# Allegro board SG2042_EVB_V2_0.brd (continued)
## Routing (per net, layer and track width the routed paths; a pad name or vN(x,y) marks a point on that pad's centre or on a via; arc(x,y) is an arc through that point) (continued)
DDR0_DQ3: length 93.6
  TOP w0.173: U1.AL56 v1(144.75,218.05)
  ART14 w0.15: J1.157 178.52,274.18 arc(177.98,274.28) 177.52,274.59 177.5,274.61 arc(177.04,274.92) 176.5,275.03 175.72,275.03 arc(175.18,274.92) 174.72,274.61 174.7,274.59 arc(174.24,274.28) 173.7,274.17 172.93,274.17 arc(172.38,274.28) 171.92,274.59 171.85,274.66 arc(171.45,274.93) 170.98,275.03 170.95,275.03 arc(170.48,274.93) 170.08,274.66 169.95,274.54 arc(169.55,274.27) 169.08,274.17 169.05,274.17 arc(168.58,274.27) 168.18,274.54 168.05,274.67 arc(167.65,274.93) 167.18,275.03 165.62,275.03 160.34,269.74 160.12,269.74 159.47,270.39 159.26,270.39 158.95,270.09 158.95,269.88 159.61,269.23 159.61,269.01 159.31,268.71 159.09,268.71 158.44,269.36 158.23,269.36 157.93,269.06 157.93,268.85 158.58,268.2 158.58,267.98 158.28,267.68 158.07,267.68 157.41,268.34 157.2,268.34 156.9,268.03 156.9,267.82 157.55,267.17 157.55,266.95 157.25,266.65 157.04,266.65 156.38,267.31 156.17,267.31 155.87,267 155.87,266.79 156.52,266.14 156.52,265.93 156.22,265.62 156.01,265.62 155.35,266.28 155.14,266.28 149.72,260.86 149.72,220.89 147,218.18 144.88,218.18 v1(144.75,218.05)
DDR0_DQ4: length 100.9
  TOP w0.173: U1.AG54 v1(142.75,222.05)
  ART14 w0.15: J1.3 172.92,282.68 arc(172.38,282.78) 171.92,283.09 171.85,283.16 arc(171.45,283.43) 170.98,283.52 170.95,283.52 arc(170.48,283.43) 170.08,283.16 169.95,283.04 arc(169.55,282.77) 169.08,282.68 169.05,282.68 arc(168.58,282.77) 168.18,283.04 168.05,283.17 arc(167.65,283.43) 167.18,283.52 163.77,283.52 152.96,272.71 152.96,272.49 153.88,271.57 153.88,271.36 153.58,271.06 153.36,271.06 152.59,271.83 152.38,271.83 152.08,271.52 152.08,271.31 152.85,270.54 152.85,270.33 152.55,270.03 152.33,270.03 151.56,270.8 151.35,270.8 151.05,270.5 151.05,270.28 151.82,269.51 151.82,269.3 151.52,269 151.31,269 150.53,269.77 150.32,269.77 150.02,269.47 150.02,269.25 150.79,268.48 150.79,268.27 150.49,267.97 150.28,267.97 149.51,268.74 149.29,268.74 148.99,268.44 148.99,268.23 149.76,267.45 149.76,267.24 149.46,266.94 149.25,266.94 148.48,267.71 148.26,267.71 147.96,267.41 147.96,267.2 148.73,266.42 148.73,266.21 148.43,265.91 148.22,265.91 147.45,266.68 147.24,266.68 146.93,266.38 146.93,266.17 147.7,265.4 147.7,265.18 145.24,262.72 145.24,222.81 144.98,222.55 143.25,222.55 v1(142.75,222.05)
DDR0_DQ5: length 101.7
  TOP w0.173: U1.AH53 v1(141.75,221.05)
  ART14 w0.15: J1.148 180.42,281.83 arc(179.88,281.72) 179.42,281.41 179.35,281.34 arc(178.95,281.07) 178.48,280.98 178.45,280.98 arc(177.98,281.07) 177.58,281.34 177.5,281.41 arc(177.04,281.72) 176.5,281.82 175.69,281.82 arc(175.18,281.72) 174.75,281.44 174.73,281.41 arc(174.3,281.13) 173.79,281.03 172.84,281.03 arc(172.33,281.13) 171.9,281.41 171.85,281.46 arc(171.45,281.73) 170.98,281.82 170.95,281.82 arc(170.48,281.73) 170.08,281.46 169.95,281.34 arc(169.55,281.07) 169.08,280.98 169.05,280.98 arc(168.58,281.07) 168.18,281.34 168.06,281.46 arc(167.65,281.73) 167.17,281.82 163.01,281.82 157.4,276.22 157.4,276.01 158.33,275.08 158.33,274.87 158.02,274.57 157.81,274.57 156.89,275.49 156.68,275.49 156.37,275.19 156.37,274.98 157.3,274.05 157.3,273.84 156.99,273.54 156.78,273.54 155.86,274.46 155.65,274.46 155.34,274.16 155.34,273.95 156.27,273.02 156.27,272.81 155.96,272.51 155.75,272.51 154.83,273.43 154.62,273.43 154.31,273.13 154.31,272.92 155.24,271.99 155.24,271.78 145.9,262.44 145.9,222.48 144.97,221.55 142.25,221.55 v1(141.75,221.05)
DDR0_DQ6: length 107.6
  TOP w0.173: U1.AG55 v1(143.75,222.05)
  BOTTOM w0.173: J1.10 175.72,276.73 arc(175.18,276.62) 174.72,276.31 174.7,276.29 arc(174.24,275.98) 173.7,275.87 172.92,275.87 arc(172.38,275.98) 171.93,276.29 171.85,276.37 arc(171.45,276.63) 170.98,276.72 170.95,276.72 arc(170.48,276.63) 170.08,276.37 169.98,276.27 arc(169.57,275.99) 169.08,275.89 169.05,275.89 arc(168.56,275.99) 168.15,276.27 168.09,276.32 arc(167.65,276.62) 167.12,276.72 165.09,276.72 164.74,276.37 164.49,276.37 163.57,277.29 163.33,277.29 163.02,276.99 163.02,276.74 163.94,275.82 163.94,275.58 163.64,275.27 163.39,275.27 162.47,276.19 162.23,276.19 161.92,275.89 161.92,275.64 162.84,274.72 162.84,274.48 162.54,274.17 162.3,274.17 161.37,275.1 161.13,275.1 160.82,274.79 160.82,274.55 161.75,273.62 161.75,273.38 161.44,273.07 161.2,273.07 160.27,274 160.03,274 159.72,273.69 159.72,273.45 160.65,272.52 160.65,272.28 160.34,271.97 160.1,271.97 159.17,272.9 158.93,272.9 158.62,272.59 158.62,272.35 159.55,271.42 159.55,271.18 159.24,270.87 159,270.87 158.07,271.8 157.83,271.8 157.53,271.49 157.53,271.25 158.45,270.33 158.45,270.08 158.14,269.78 157.9,269.78 156.98,270.7 156.73,270.7 156.43,270.39 156.43,270.15 157.35,269.23 157.35,268.98 157.04,268.68 156.8,268.68 155.88,269.6 155.63,269.6 155.33,269.29 155.33,269.05 156.25,268.13 156.25,267.88 155.94,267.58 155.7,267.58 154.78,268.5 154.53,268.5 154.23,268.19 154.23,267.95 155.15,267.03 155.15,266.78 154.84,266.48 154.6,266.48 153.68,267.4 153.43,267.4 148.58,262.55 148.58,225.15 145.98,222.55 144.25,222.55 v1(143.75,222.05)
DDR0_DQ7: length 107.9
  TOP w0.173: U1.AH55 v1(143.75,221.05)
  BOTTOM w0.173: J1.155 178.52,275.87 arc(177.98,275.77) 177.52,275.46 177.5,275.44 arc(177.04,275.13) 176.5,275.03 175.72,275.03 arc(175.18,274.92) 174.73,274.61 174.7,274.59 arc(174.24,274.28) 173.7,274.17 172.92,274.17 arc(172.38,274.28) 171.93,274.59 171.85,274.67 arc(171.45,274.93) 170.98,275.03 170.95,275.03 arc(170.48,274.93) 170.08,274.67 169.95,274.53 arc(169.55,274.27) 169.08,274.17 169.05,274.17 arc(168.58,274.27) 168.18,274.53 168.1,274.61 arc(167.64,274.92) 167.1,275.03 166.39,275.03 165.34,273.97 165.09,273.97 164.39,274.68 164.15,274.68 163.84,274.37 163.84,274.13 164.68,273.28 164.68,273.04 164.38,272.74 164.13,272.74 163.29,273.58 163.05,273.58 162.74,273.27 162.74,273.03 163.58,272.19 163.58,271.94 163.28,271.64 163.04,271.64 162.19,272.48 161.95,272.48 161.64,272.17 161.64,271.93 162.49,271.09 162.49,270.84 162.18,270.54 161.94,270.54 161.09,271.38 160.85,271.38 160.54,271.08 160.54,270.83 161.39,269.99 161.39,269.74 161.08,269.44 160.84,269.44 159.99,270.28 159.75,270.28 159.44,269.98 159.44,269.73 160.64,268.53 160.64,268.29 160.34,267.98 160.09,267.98 158.89,269.18 158.65,269.18 158.34,268.88 158.34,268.63 160.34,266.63 160.34,266.39 160.04,266.08 159.79,266.08 157.79,268.08 157.55,268.08 157.24,267.78 157.24,267.53 158.6,266.18 158.6,265.94 158.29,265.63 158.05,265.63 156.69,266.98 156.45,266.98 155.17,265.7 152.83,265.7 149.36,262.23 149.36,224.83 146.09,221.56 144.26,221.56 v1(143.75,221.05)
DDR0_DQ8: length 102.2
  TOP w0.173: U1.AN53 v1(141.75,216.05)
  BOTTOM w0.173: v1(141.75,216.05) 142.25,216.55 142.25,217.26 142.54,217.55 148.4,217.55 151.18,220.32 151.18,248.49 152.43,249.74 152.43,249.99 151.35,251.08 151.35,251.32 151.65,251.63 151.9,251.63 152.98,250.54 153.23,250.54 153.53,250.84 153.53,251.09 152.45,252.18 152.45,252.42 152.75,252.73 153,252.73 154.08,251.64 154.33,251.64 154.63,251.94 154.63,252.19 153.55,253.28 153.55,253.52 153.85,253.82 154.09,253.82 155.18,252.74 155.43,252.74 155.73,253.04 155.73,253.29 154.64,254.37 154.64,254.62 154.95,254.92 155.19,254.92 156.28,253.84 156.53,253.84 156.83,254.14 156.83,254.39 155.74,255.47 155.74,255.72 156.05,256.02 156.29,256.02 157.38,254.94 157.63,254.94 161.69,259 161.69,268.62 166.39,273.33 167.1,273.33 arc(167.64,273.22) 168.1,272.91 168.18,272.83 arc(168.58,272.57) 169.05,272.47 169.08,272.47 arc(169.55,272.57) 169.95,272.83 170.08,272.97 arc(170.48,273.23) 170.95,273.33 170.98,273.33 arc(171.45,273.23) 171.85,272.97 171.93,272.89 arc(172.38,272.58) 172.92,272.47 173.7,272.47 arc(174.24,272.58) 174.7,272.89 174.73,272.91 arc(175.19,273.22) 175.73,273.33 176.23,273.33 arc(177.02,273.17) 177.68,272.73 177.98,272.44 arc(178.22,272.06) J1.16
DDR0_DQ9: length 100.1
  TOP w0.173: U1.AT53 v1(141.75,213.05)
  BOTTOM w0.173: v1(141.75,213.05) 142.25,213.55 142.25,215.25 142.55,215.55 143.01,215.55 143.25,215.79 143.25,216.25 143.55,216.55 148.5,216.55 151.95,220 151.95,248.17 162.47,258.68 162.47,264.32 163.9,265.76 163.9,266 162.47,267.43 162.47,267.68 162.78,267.98 163.02,267.98 164.45,266.55 164.7,266.55 165,266.86 165,267.1 163.57,268.53 163.57,268.78 163.88,269.08 164.12,269.08 165.55,267.65 165.8,267.65 166.1,267.96 166.1,268.2 164.67,269.63 164.67,269.88 164.98,270.18 165.22,270.18 165.92,269.49 166.16,269.49 166.47,269.79 166.47,270.04 165.77,270.73 165.77,270.98 166.42,271.63 167.1,271.63 arc(167.64,271.52) 168.1,271.21 168.18,271.13 arc(168.58,270.87) 169.05,270.77 169.08,270.77 arc(169.55,270.87) 169.95,271.13 170.08,271.27 arc(170.48,271.53) 170.95,271.63 170.98,271.63 arc(171.45,271.53) 171.85,271.27 171.93,271.19 arc(172.38,270.88) 172.92,270.77 173.7,270.77 arc(174.24,270.88) 174.7,271.19 174.73,271.21 arc(175.18,271.52) 175.72,271.63 176.5,271.63 arc(177.04,271.52) 177.5,271.21 177.52,271.19 arc(177.98,270.88) 178.52,270.78 J1.161
DDR0_DQ10: length 90.8
  TOP w0.173: U1.AT55 v1(143.75,213.05)
  ART14 w0.15: J1.23 172.92,265.68 arc(172.38,265.78) 171.92,266.09 171.85,266.16 arc(171.45,266.43) 170.98,266.52 170.95,266.52 arc(170.48,266.43) 170.08,266.16 169.95,266.04 arc(169.55,265.77) 169.08,265.68 169.05,265.68 arc(168.58,265.77) 168.18,266.04 168.1,266.11 arc(167.64,266.42) 167.1,266.52 166.4,266.52 165.19,265.31 165.19,255.58 164.12,254.52 164.12,254.3 164.97,253.45 164.97,253.24 164.67,252.94 164.46,252.94 163.61,253.79 163.39,253.79 163.09,253.49 163.09,253.28 163.95,252.42 163.95,252.21 163.64,251.91 163.43,251.91 162.58,252.76 162.37,252.76 162.06,252.46 162.06,252.25 162.92,251.39 162.92,251.18 162.61,250.88 162.4,250.88 161.55,251.73 161.34,251.73 161.03,251.43 161.03,251.22 161.89,250.36 161.89,250.15 161.58,249.85 161.37,249.85 160.52,250.7 160.31,250.7 160,250.4 160,250.19 160.86,249.33 160.86,249.12 160.55,248.82 160.34,248.82 159.49,249.67 159.28,249.67 154.53,244.93 154.53,218.9 149.35,213.72 145.95,213.72 145.76,213.53 144.23,213.53 v1(143.75,213.05)
DDR0_DQ11: length 90.2
  TOP w0.173: U1.AT56 v1(144.75,213.05)
  ART14 w0.15: J1.168 180.42,264.83 arc(179.88,264.93) 179.42,265.24 179.35,265.31 arc(178.95,265.58) 178.48,265.68 178.45,265.68 arc(177.98,265.58) 177.58,265.31 177.5,265.24 arc(177.04,264.93) 176.5,264.82 175.72,264.82 arc(175.18,264.72) 174.72,264.41 174.7,264.39 arc(174.24,264.08) 173.7,263.98 172.92,263.98 arc(172.38,264.08) 171.92,264.39 171.85,264.46 arc(171.45,264.73) 170.98,264.82 170.95,264.82 arc(170.48,264.73) 170.08,264.46 169.95,264.34 arc(169.55,264.07) 169.08,263.98 169.05,263.98 arc(168.58,264.07) 168.18,264.34 168.1,264.41 arc(167.64,264.72) 167.1,264.82 166.4,264.82 165.85,264.27 165.85,253.18 160.19,247.52 159.98,247.52 159.3,248.21 159.08,248.21 158.78,247.91 158.78,247.7 159.47,247.01 159.47,246.8 159.16,246.5 158.95,246.5 158.27,247.18 158.05,247.18 157.75,246.88 157.75,246.67 158.44,245.98 158.44,245.77 158.14,245.47 157.92,245.47 157.24,246.15 157.02,246.15 156.72,245.85 156.72,245.64 157.41,244.95 157.41,244.74 157.11,244.44 156.89,244.44 156.21,245.12 156,245.12 155.69,244.82 155.69,244.61 156.38,243.92 156.38,243.71 155.19,242.52 155.19,218.63 149.63,213.06 144.76,213.06 v1(144.75,213.05)
DDR0_DQ12: length 97.9
  TOP w0.173: U1.AM55 v1(143.75,217.05)
  ART14 w0.15: J1.14 175.72,273.33 arc(175.18,273.22) 174.72,272.91 174.7,272.89 arc(174.24,272.58) 173.7,272.47 172.93,272.47 arc(172.38,272.58) 171.92,272.89 171.85,272.96 arc(171.45,273.23) 170.98,273.33 170.95,273.33 arc(170.48,273.23) 170.08,272.96 169.95,272.84 arc(169.55,272.57) 169.08,272.47 169.05,272.47 arc(168.58,272.57) 168.18,272.84 168.05,272.97 arc(167.65,273.23) 167.18,273.33 165.32,273.33 164.77,272.77 164.77,272.56 165.48,271.86 165.48,271.64 165.17,271.34 164.96,271.34 164.26,272.05 164.05,272.05 163.74,271.74 163.74,271.53 164.45,270.83 164.45,270.62 164.15,270.31 163.93,270.31 163.23,271.02 163.02,271.02 162.71,270.71 162.71,270.5 163.42,269.8 163.42,269.59 163.12,269.28 162.9,269.28 162.2,269.99 161.99,269.99 161.68,269.69 161.68,269.47 162.39,268.77 162.39,268.56 161.36,267.53 161.36,266.7 161.21,266.55 158.85,266.55 158.7,266.4 158.7,265.97 158.85,265.82 161.21,265.82 161.36,265.67 161.36,265.24 161.21,265.09 160.07,265.09 159.92,264.94 159.92,264.52 160.07,264.37 161.21,264.37 161.36,264.22 161.36,259.07 158.68,256.39 156.72,256.39 150.71,250.37 150.71,220.48 147.77,217.54 144.24,217.54 v1(143.75,217.05)
DDR0_DQ13: length 98.5
  TOP w0.173: U1.AM54 v1(142.75,217.05)
  ART14 w0.15: v1(142.75,217.05) 143.25,216.55 144.98,216.55 145.31,216.88 148.04,216.88 151.37,220.21 151.37,248.14 152.19,248.96 152.19,249.17 151.42,249.94 151.42,250.15 151.73,250.45 151.94,250.45 152.71,249.69 152.92,249.69 153.22,249.99 153.22,250.2 152.45,250.97 152.45,251.18 152.75,251.48 152.97,251.48 153.73,250.72 153.95,250.72 154.25,251.02 154.25,251.23 153.48,252 153.48,252.21 153.78,252.51 154,252.51 154.76,251.74 154.98,251.74 155.28,252.05 155.28,252.26 154.51,253.03 154.51,253.24 154.81,253.54 155.02,253.54 155.79,252.77 156.01,252.77 156.31,253.08 156.31,253.29 155.54,254.06 155.54,254.27 155.84,254.57 156.05,254.57 156.82,253.8 157.03,253.8 157.34,254.11 157.34,254.32 156.57,255.09 156.57,255.3 156.87,255.6 157.08,255.6 157.85,254.83 158.06,254.83 162.02,258.79 162.02,267.26 166.39,271.63 167.24,271.63 arc(167.73,271.53) 168.15,271.25 168.29,271.11 arc(168.66,270.86) 169.09,270.77 169.12,270.77 arc(169.55,270.86) 169.92,271.11 170.08,271.26 arc(170.48,271.53) 170.95,271.63 170.98,271.63 arc(171.45,271.53) 171.85,271.26 171.92,271.19 arc(172.38,270.88) 172.93,270.77 173.7,270.77 arc(174.24,270.88) 174.7,271.19 174.72,271.21 arc(175.18,271.52) 175.72,271.63 176.5,271.63 arc(177.04,271.73) 177.5,272.04 177.52,272.06 arc(177.98,272.37) 178.52,272.48 J1.159
DDR0_DQ14: length 105
  TOP w0.173: U1.AN55 v1(143.75,216.05)
  BOTTOM w0.173: v1(143.75,216.05) 144.25,215.55 148.97,215.55 152.99,219.57 152.99,243.34 154.14,244.49 154.14,244.74 153.2,245.67 153.2,245.92 153.51,246.22 153.75,246.22 154.69,245.29 154.94,245.29 155.24,245.59 155.24,245.84 154.3,246.77 154.3,247.02 154.61,247.32 154.85,247.32 155.79,246.38 156.04,246.38 156.34,246.69 156.34,246.93 155.4,247.87 155.4,248.12 155.71,248.42 155.95,248.42 156.89,247.48 157.14,247.48 157.44,247.79 157.44,248.03 156.5,248.97 156.5,249.22 156.81,249.52 157.05,249.52 157.99,248.58 158.24,248.58 158.54,248.89 158.54,249.13 157.6,250.07 157.6,250.32 157.91,250.62 158.15,250.62 159.09,249.68 159.33,249.68 159.64,249.99 159.64,250.23 158.7,251.17 158.7,251.42 159.01,251.72 159.25,251.72 160.19,250.78 160.43,250.78 160.74,251.09 160.74,251.33 159.8,252.27 159.8,252.51 160.11,252.82 160.35,252.82 161.29,251.88 161.53,251.88 161.84,252.19 161.84,252.43 160.9,253.37 160.9,253.61 161.21,253.92 161.45,253.92 162.39,252.98 162.63,252.98 162.94,253.29 162.94,253.53 162,254.47 162,254.71 162.3,255.02 162.55,255.02 163.49,254.08 163.73,254.08 164.04,254.39 164.04,254.63 163.1,255.57 163.1,255.81 163.4,256.12 163.65,256.12 164.19,255.57 164.44,255.57 164.74,255.88 164.74,256.12 164.2,256.67 164.2,256.91 164.75,257.46 164.75,264.87 166.4,266.52 167.11,266.52 arc(167.64,266.42) 168.1,266.11 168.18,266.03 arc(168.58,265.77) 169.05,265.68 169.08,265.68 arc(169.55,265.77) 169.95,266.03 170.08,266.17 arc(170.48,266.43) 170.95,266.52 170.98,266.52 arc(171.45,266.43) 171.85,266.17 171.93,266.09 arc(172.38,265.78) 172.92,265.68 173.83,265.68 arc(174.92,265.89) 175.85,266.51 J1.21
DDR0_DQ15: length 103.3
  TOP w0.173: U1.AR56 v1(144.75,214.05)
  BOTTOM w0.173: v1(144.75,214.05) 145.47,214.77 149.29,214.77 153.77,219.25 153.77,243.02 154.31,243.56 154.56,243.56 155.29,242.83 155.53,242.83 155.84,243.14 155.84,243.38 155.11,244.11 155.11,244.36 155.41,244.66 155.66,244.66 156.39,243.93 156.63,243.93 156.94,244.24 156.94,244.48 156.21,245.21 156.21,245.46 156.51,245.76 156.76,245.76 157.49,245.03 157.73,245.03 158.04,245.34 158.04,245.58 157.31,246.31 157.31,246.55 157.61,246.86 157.86,246.86 158.59,246.13 158.83,246.13 159.14,246.44 159.14,246.68 158.41,247.41 158.41,247.65 158.71,247.96 158.96,247.96 159.69,247.23 159.93,247.23 160.23,247.53 160.23,247.78 159.5,248.51 159.5,248.75 159.81,249.06 160.05,249.06 160.78,248.33 161.03,248.33 161.33,248.63 161.33,248.88 160.6,249.61 160.6,249.85 160.91,250.16 161.15,250.16 161.88,249.43 162.13,249.43 162.43,249.73 162.43,249.98 161.7,250.71 161.7,250.95 162.01,251.26 162.25,251.26 162.98,250.53 163.23,250.53 163.53,250.83 163.53,251.08 162.8,251.81 162.8,252.05 163.11,252.36 163.35,252.36 164.08,251.63 164.33,251.63 164.63,251.93 164.63,252.18 163.9,252.91 163.9,253.15 164.21,253.46 164.45,253.46 165.18,252.73 165.43,252.73 165.73,253.03 165.73,253.28 165,254.01 165,254.25 165.52,254.77 165.52,263.95 166.4,264.82 167.11,264.82 arc(167.64,264.72) 168.1,264.41 168.18,264.33 arc(168.58,264.07) 169.05,263.98 169.08,263.98 arc(169.55,264.07) 169.95,264.33 170.08,264.47 arc(170.48,264.73) 170.95,264.82 170.98,264.82 arc(171.45,264.73) 171.85,264.47 171.93,264.39 arc(172.38,264.08) 172.92,263.98 173.7,263.98 arc(174.24,264.08) 174.7,264.39 174.72,264.41 arc(175.18,264.72) 175.72,264.82 176.5,264.82 arc(177.04,264.93) 177.5,265.24 177.58,265.32 arc(177.98,265.58) 178.44,265.68 178.48,265.68 arc(178.95,265.77) 179.35,266.03 179.42,266.11 arc(179.88,266.42) 180.42,266.52 J1.166
DDR0_DQ16: length 78.2
  TOP w0.173: U1.AL51 v1(139.75,218.05)
  ART07 w0.135: v1(139.75,218.05) U1.AL51 139.25,223.25 139.55,223.55 145.39,223.55 148.58,226.74 148.58,245.55 161.97,258.94 162.16,258.94 162.64,258.46 162.83,258.46 163.13,258.76 163.13,258.95 162.64,259.43 162.64,259.62 162.94,259.91 163.13,259.91 163.61,259.43 163.8,259.43 164.1,259.73 164.1,259.92 163.62,260.4 163.62,260.59 163.91,260.88 164.1,260.88 164.58,260.4 164.77,260.4 165.07,260.7 165.07,260.89 164.59,261.37 164.59,261.56 164.88,261.86 165.07,261.86 165.55,261.37 165.74,261.37 166.04,261.67 166.04,261.86 165.56,262.34 165.56,262.53 166.15,263.12 167.1,263.12 arc(167.64,263.02) 168.1,262.71 168.18,262.64 arc(168.58,262.37) 169.05,262.28 169.08,262.28 arc(169.55,262.37) 169.95,262.64 170.08,262.76 arc(170.48,263.03) 170.95,263.12 170.98,263.12 arc(171.45,263.03) 171.85,262.76 171.92,262.69 arc(172.38,262.38) 172.93,262.28 J1.27
DDR0_DQ17: length 81.9
  TOP w0.173: U1.AL49 v1(137.75,218.05)
  ART07 w0.135: v1(137.75,218.05) 138.25,218.55 138.25,224.26 138.54,224.55 143.5,224.55 143.93,224.12 145.07,224.12 147.95,227 147.95,245.81 161.53,259.4 161.53,260.16 166.2,264.82 167.1,264.82 arc(167.64,264.72) 168.1,264.41 168.18,264.34 arc(168.58,264.07) 169.05,263.98 169.08,263.98 arc(169.55,264.07) 169.95,264.34 170.08,264.46 arc(170.48,264.73) 170.95,264.82 170.98,264.82 arc(171.45,264.73) 171.85,264.46 171.92,264.39 arc(172.38,264.08) 172.93,263.98 173.7,263.98 arc(174.24,263.87) 174.7,263.56 174.72,263.54 arc(175.18,263.23) 175.73,263.12 176.5,263.12 arc(177.04,263.23) 177.5,263.54 177.57,263.61 arc(177.98,263.88) 178.45,263.98 178.48,263.98 arc(178.95,263.88) 179.35,263.61 179.47,263.49 arc(179.88,263.22) 180.35,263.12 180.38,263.12 arc(180.85,263.03) 181.25,262.76 181.78,262.23 arc(182.02,261.86) J1.172
DDR0_DQ18: length 77.8
  TOP w0.173: U1.AK52 v1(140.75,219.05)
  ART05 w0.135: v1(140.75,219.05) 141.28,219.58 146.28,219.58 150.28,223.57 151.29,224.59 151.29,243.33 158.17,250.21 158.36,250.21 158.75,249.82 158.94,249.82 159.24,250.12 159.24,250.31 158.85,250.7 158.85,250.89 159.14,251.18 159.33,251.18 159.72,250.79 159.91,250.79 160.21,251.09 160.21,251.28 159.82,251.67 159.82,251.86 160.11,252.15 160.3,252.15 160.69,251.76 160.88,251.76 161.18,252.06 161.18,252.25 160.79,252.64 160.79,252.83 161.08,253.12 161.27,253.12 161.66,252.73 161.85,252.73 162.15,253.03 162.15,253.22 161.76,253.61 161.76,253.8 162.05,254.09 162.24,254.09 162.63,253.71 162.82,253.71 163.12,254 163.12,254.19 162.73,254.58 162.73,254.77 163.02,255.06 163.21,255.06 163.6,254.68 163.79,254.68 164.09,254.97 164.09,255.16 163.7,255.55 163.7,255.74 163.99,256.03 164.18,256.03 164.57,255.65 164.76,255.65 165.06,255.94 165.06,256.13 164.67,256.52 164.67,256.71 164.96,257 165.15,257 165.54,256.62 165.73,256.62 166.03,256.91 166.03,257.1 165.64,257.49 165.64,257.68 165.98,258.02 167.1,258.02 arc(167.64,257.92) 168.1,257.61 168.18,257.54 arc(168.58,257.27) 169.05,257.18 169.08,257.18 arc(169.55,257.27) 169.95,257.54 170.08,257.66 arc(170.48,257.93) 170.95,258.02 170.98,258.02 arc(171.45,257.93) 171.85,257.66 171.92,257.59 arc(172.38,257.28) 172.93,257.18 173.7,257.18 arc(174.24,257.28) 174.7,257.59 174.72,257.61 arc(175.18,257.92) 175.73,258.02 176.23,258.02 arc(177.02,257.87) 177.69,257.42 177.98,257.13 arc(178.22,256.76) J1.34
DDR0_DQ19: length 77.3
  TOP w0.173: U1.AL52 v1(140.75,218.05)
  ART05 w0.135: v1(140.75,218.05) 141.24,218.54 146.13,218.54 151.92,224.33 151.92,241.84 152.43,242.35 152.43,242.54 152.03,242.94 152.03,243.13 152.33,243.43 152.52,243.43 152.92,243.02 153.11,243.02 153.4,243.32 153.4,243.51 153,243.91 153,244.1 153.3,244.4 153.49,244.4 153.89,244 154.08,244 154.37,244.29 154.37,244.48 153.97,244.88 153.97,245.07 154.27,245.37 154.46,245.37 154.86,244.97 155.05,244.97 155.34,245.26 155.34,245.45 154.94,245.85 154.94,246.04 155.24,246.34 155.43,246.34 155.83,245.94 156.02,245.94 156.31,246.23 156.31,246.42 155.91,246.82 155.91,247.01 156.21,247.31 156.4,247.31 156.8,246.91 156.99,246.91 157.28,247.2 157.28,247.39 156.88,247.79 156.88,247.98 157.18,248.28 157.37,248.28 157.77,247.88 157.96,247.88 158.25,248.17 158.25,248.36 157.85,248.76 157.85,248.95 158.15,249.25 158.34,249.25 158.74,248.85 158.93,248.85 166.41,256.32 167.1,256.32 arc(167.64,256.22) 168.1,255.91 168.18,255.84 arc(168.58,255.57) 169.05,255.47 169.08,255.47 arc(169.55,255.57) 169.95,255.84 170.08,255.96 arc(170.48,256.23) 170.95,256.32 170.98,256.32 arc(171.45,256.23) 171.85,255.96 171.92,255.89 arc(172.38,255.58) 172.93,255.47 173.7,255.47 arc(174.24,255.58) 174.7,255.89 174.72,255.91 arc(175.18,256.22) 175.73,256.32 176.5,256.32 arc(177.04,256.22) 177.5,255.91 177.52,255.89 arc(177.98,255.58) 178.52,255.47 J1.179
DDR0_DQ20: length 84.6
  TOP w0.173: U1.AG50 v1(137.75,222.05)
  ART05 w0.135: J1.25 172.96,263.98 arc(172.42,264.08) 171.96,264.39 171.9,264.45 arc(171.48,264.73) 170.99,264.82 170.97,264.82 arc(170.48,264.73) 170.06,264.45 169.95,264.34 arc(169.55,264.07) 169.08,263.98 169.05,263.98 arc(168.58,264.07) 168.18,264.34 168.1,264.41 arc(167.64,264.72) 167.1,264.82 166.43,264.82 165.99,264.39 165.8,264.39 165.35,264.83 165.16,264.83 164.87,264.54 164.87,264.35 165.72,263.5 165.72,263.31 165.42,263.01 165.23,263.01 164.38,263.86 164.19,263.86 163.9,263.57 163.9,263.38 164.91,262.36 164.91,262.17 164.62,261.88 164.43,261.88 163.41,262.89 163.22,262.89 162.93,262.6 162.93,262.41 163.94,261.39 163.94,261.2 163.65,260.91 163.46,260.91 162.44,261.92 162.25,261.92 161.96,261.63 161.96,261.44 162.97,260.42 162.97,260.23 162.68,259.94 162.49,259.94 161.66,260.76 161.47,260.76 161.18,260.47 161.18,260.28 162,259.45 162,259.26 159.23,256.49 157.32,256.49 147.62,246.79 147.62,226.11 145.06,223.55 138.53,223.55 138.25,223.27 U1.AG50 v1(137.75,222.05)
DDR0_DQ21: length 85
  TOP w0.173: U1.AH49 v1(137.75,221.05)
  ART05 w0.135: v1(137.75,221.05) 138.25,221.55 138.95,221.55 139.25,221.86 139.25,222.26 139.54,222.55 144.95,222.55 148.25,225.85 148.25,246.53 152.64,250.92 154.55,250.92 155.04,251.41 155.04,251.6 154.37,252.27 154.37,252.46 154.66,252.75 154.85,252.75 155.52,252.08 155.71,252.08 156.01,252.38 156.01,252.57 155.34,253.24 155.34,253.43 155.63,253.72 155.82,253.72 156.49,253.05 156.68,253.05 156.98,253.35 156.98,253.54 156.31,254.21 156.31,254.4 156.6,254.69 156.79,254.69 157.46,254.02 157.65,254.02 157.95,254.32 157.95,254.51 157.28,255.18 157.28,255.37 157.57,255.66 157.76,255.66 158.43,254.99 158.62,254.99 165.63,262 165.63,262.31 166.45,263.12 167.1,263.12 arc(167.64,263.02) 168.1,262.71 168.18,262.64 arc(168.58,262.37) 169.05,262.28 169.08,262.28 arc(169.55,262.37) 169.95,262.64 170.08,262.76 arc(170.48,263.03) 170.95,263.12 170.98,263.12 arc(171.45,263.03) 171.85,262.76 171.92,262.69 arc(172.38,262.38) 172.93,262.28 173.7,262.28 arc(174.24,262.38) 174.7,262.69 174.72,262.71 arc(175.18,263.02) 175.73,263.12 176.5,263.12 arc(177.04,263.02) 177.5,262.71 177.57,262.64 arc(177.98,262.37) 178.45,262.28 178.48,262.28 arc(178.95,262.37) 179.35,262.64 179.42,262.71 arc(179.88,263.02) 180.42,263.13 J1.170
DDR0_DQ22: length 83.3
  TOP w0.173: U1.AH51 v1(139.75,222.05)
  ART07 w0.135: v1(139.75,222.05) 140.25,222.55 148.77,222.55 150.97,224.75 150.97,243.55 156.12,248.7 156.12,248.89 155.52,249.49 155.52,249.68 155.82,249.98 156.01,249.98 156.61,249.38 156.8,249.38 157.09,249.67 157.09,249.86 156.49,250.46 156.49,250.65 156.79,250.95 156.98,250.95 157.58,250.35 157.77,250.35 158.06,250.65 158.06,250.84 157.46,251.43 157.46,251.62 157.76,251.92 157.95,251.92 158.55,251.32 158.74,251.32 159.03,251.62 159.03,251.81 158.43,252.4 158.43,252.59 158.73,252.89 158.92,252.89 159.52,252.29 159.71,252.29 160,252.59 160,252.78 159.4,253.37 159.4,253.56 159.7,253.86 159.89,253.86 160.49,253.26 160.68,253.26 160.97,253.56 160.97,253.75 160.38,254.34 160.38,254.53 160.67,254.83 160.86,254.83 161.46,254.23 161.65,254.23 161.94,254.53 161.94,254.72 161.35,255.31 161.35,255.5 161.64,255.8 161.83,255.8 162.43,255.2 162.62,255.2 162.91,255.5 162.91,255.69 162.32,256.28 162.32,256.47 162.61,256.77 162.8,256.77 163.4,256.17 163.59,256.17 163.88,256.47 163.88,256.66 163.29,257.25 163.29,257.44 163.58,257.74 163.77,257.74 164.37,257.14 164.56,257.14 165.44,258.02 167.1,258.02 arc(167.64,257.92) 168.1,257.61 168.18,257.54 arc(168.58,257.27) 169.05,257.18 169.08,257.18 arc(169.55,257.27) 169.95,257.54 170.08,257.66 arc(170.48,257.93) 170.95,258.02 170.98,258.02 arc(171.45,257.93) 171.85,257.66 171.92,257.59 arc(172.38,257.28) 172.93,257.18 173.7,257.18 arc(174.24,257.28) 174.7,257.59 174.72,257.61 arc(175.18,257.92) 175.73,258.03 J1.32
DDR0_DQ23: length 82.1
  TOP w0.173: U1.AG52 v1(140.75,222.05)
  ART07 w0.135: v1(140.75,222.05) 141.25,221.55 148.66,221.55 151.6,224.49 151.6,243.29 153.72,245.41 153.91,245.41 154.48,244.84 154.67,244.84 154.96,245.14 154.96,245.33 154.39,245.9 154.39,246.09 154.69,246.38 154.88,246.38 155.45,245.81 155.64,245.81 155.94,246.11 155.94,246.3 155.36,246.87 155.36,247.06 155.66,247.35 155.85,247.35 156.42,246.78 156.61,246.78 156.91,247.08 156.91,247.27 156.33,247.84 156.33,248.03 156.63,248.32 156.82,248.32 157.39,247.75 157.58,247.75 157.88,248.05 157.88,248.24 157.31,248.81 157.31,249 157.6,249.29 157.79,249.29 158.36,248.72 158.55,248.72 158.85,249.02 158.85,249.21 158.28,249.78 158.28,249.97 158.57,250.26 158.76,250.26 159.33,249.69 159.52,249.69 159.82,249.99 159.82,250.18 159.25,250.75 159.25,250.94 159.54,251.23 159.73,251.23 160.3,250.66 160.49,250.66 160.79,250.96 160.79,251.15 160.22,251.72 160.22,251.91 160.51,252.2 160.7,252.2 161.27,251.63 161.46,251.63 161.76,251.93 161.76,252.12 161.19,252.69 161.19,252.88 164.63,256.32 167.1,256.32 arc(167.64,256.22) 168.1,255.91 168.18,255.84 arc(168.58,255.57) 169.05,255.47 169.08,255.47 arc(169.55,255.57) 169.95,255.84 170.37,256.26 arc(170.96,256.5) 171.55,256.26 171.66,256.15 arc(172.41,255.65) 173.3,255.47 173.7,255.47 arc(174.24,255.58) 174.7,255.89 174.72,255.91 arc(175.18,256.22) 175.73,256.32 176.5,256.32 arc(177.04,256.43) 177.5,256.74 177.52,256.76 arc(177.98,257.07) 178.52,257.18 J1.177
DDR0_DQ24: length 76.1
  TOP w0.173: U1.AT49 v1(137.75,213.05)
  ART07 w0.135: v1(137.75,213.05) 138.25,213.55 138.25,216.26 138.52,216.53 138.85,216.53 139.25,216.93 139.25,217.26 139.56,217.57 139.89,217.57 140.25,217.93 140.25,218.26 140.54,218.55 147.93,218.55 153.15,223.77 153.15,241.36 163.39,251.6 163.39,251.79 163.05,252.14 163.05,252.33 163.34,252.62 163.53,252.62 163.88,252.28 164.07,252.28 164.36,252.57 164.36,252.77 164.02,253.11 164.02,253.3 164.31,253.59 164.5,253.59 164.85,253.25 165.04,253.25 165.33,253.54 165.33,253.74 164.99,254.08 164.99,254.27 165.28,254.56 165.47,254.56 165.82,254.22 166.01,254.22 166.41,254.63 167.1,254.63 arc(167.64,254.52) 168.1,254.21 168.18,254.14 arc(168.58,253.87) 169.05,253.77 169.08,253.77 arc(169.55,253.87) 169.95,254.14 170.08,254.26 arc(170.48,254.53) 170.95,254.63 170.98,254.63 arc(171.45,254.53) 171.85,254.26 171.92,254.19 arc(172.38,253.88) 172.93,253.77 173.7,253.77 arc(174.24,253.88) 174.7,254.19 174.72,254.21 arc(175.18,254.52) 175.73,254.63 176.23,254.63 arc(177.02,254.47) 177.69,254.02 177.98,253.74 arc(178.22,253.36) J1.38
DDR0_DQ25: length 74.6
  TOP w0.173: U1.AT51 v1(139.75,213.05)
  ART07 w0.135: J1.183 178.5,252.08 arc(177.97,252.18) 177.51,252.48 177.5,252.5 arc(177.05,252.8) 176.51,252.91 175.7,252.91 arc(175.16,252.8) 174.71,252.5 174.7,252.48 arc(174.24,252.18) 173.71,252.07 172.93,252.07 arc(172.38,252.18) 171.92,252.49 171.85,252.56 arc(171.45,252.83) 170.98,252.93 170.95,252.93 arc(170.48,252.83) 170.08,252.56 169.95,252.44 arc(169.55,252.17) 169.08,252.07 169.05,252.07 arc(168.58,252.17) 168.18,252.44 168.09,252.52 arc(167.65,252.82) 167.11,252.93 165.6,252.93 165.1,252.43 165.1,252.24 165.43,251.91 165.43,251.72 165.14,251.42 164.95,251.42 164.62,251.75 164.43,251.75 164.13,251.46 164.13,251.27 164.46,250.94 164.46,250.75 164.17,250.45 163.98,250.45 163.65,250.78 163.46,250.78 153.88,241.21 153.88,223.56 147.87,217.55 140.54,217.55 140.25,217.26 140.25,216.83 139.97,216.55 139.64,216.55 139.25,216.16 U1.AT51 v1(139.75,213.05)
DDR0_DQ26: length 74.7
  TOP w0.173: U1.AR52 v1(140.75,214.05)
  ART05 w0.135: v1(140.75,214.05) 141.25,213.55 147.67,213.55 156.54,222.42 156.54,233.4 157.39,234.25 157.39,234.44 156.55,235.29 156.55,235.48 156.84,235.77 157.03,235.77 157.88,234.93 158.07,234.93 158.36,235.22 158.36,235.41 157.52,236.26 157.52,236.45 157.81,236.75 158,236.75 158.85,235.9 159.04,235.9 159.33,236.19 159.33,236.38 158.49,237.23 158.49,237.42 158.78,237.72 158.97,237.72 159.82,236.87 160.01,236.87 160.3,237.16 160.3,237.35 159.46,238.2 159.46,238.39 159.75,238.69 159.94,238.69 160.79,237.84 160.98,237.84 161.27,238.13 161.27,238.32 160.43,239.17 160.43,239.36 160.72,239.66 160.91,239.66 161.76,238.81 161.95,238.81 162.24,239.1 162.24,239.29 161.4,240.14 161.4,240.33 165.32,244.26 165.32,246.73 166.42,247.83 167.1,247.83 arc(167.64,247.72) 168.1,247.41 168.18,247.34 arc(168.58,247.07) 169.05,246.97 169.08,246.97 arc(169.55,247.07) 169.95,247.34 170.08,247.46 arc(170.48,247.73) 170.95,247.83 170.98,247.83 arc(171.45,247.73) 171.85,247.46 171.92,247.39 arc(172.38,247.08) 172.93,246.97 176.71,246.97 J1.45
DDR0_DQ27: length 74.2
  TOP w0.173: U1.AT52 v1(140.75,213.05)
  ART05 w0.135: J1.190 180.42,246.12 arc(179.88,246.23) 179.42,246.54 179.35,246.61 arc(178.95,246.88) 178.48,246.97 178.45,246.97 arc(177.98,246.88) 177.57,246.61 177.5,246.54 arc(177.04,246.23) 176.5,246.12 175.73,246.12 arc(175.18,246.02) 174.72,245.71 174.7,245.69 arc(174.24,245.38) 173.7,245.28 172.93,245.28 arc(172.38,245.38) 171.92,245.69 171.85,245.76 arc(171.45,246.03) 170.98,246.12 170.95,246.12 arc(170.48,246.03) 170.08,245.76 169.95,245.64 arc(169.55,245.37) 169.08,245.28 169.05,245.28 arc(168.58,245.37) 168.18,245.64 168.1,245.71 arc(167.64,246.02) 167.1,246.12 166.42,246.12 165.95,245.66 165.95,243.99 165.33,243.37 165.33,243.18 166.11,242.4 166.11,242.21 165.82,241.91 165.63,241.91 164.84,242.7 164.65,242.7 164.36,242.4 164.36,242.21 165.14,241.43 165.14,241.24 164.85,240.94 164.66,240.94 163.87,241.73 163.68,241.73 163.39,241.43 163.39,241.24 164.17,240.46 164.17,240.27 163.88,239.97 163.69,239.97 162.9,240.76 162.71,240.76 162.42,240.46 162.42,240.27 163.26,239.42 163.26,239.23 157.17,233.14 157.17,222.15 148.51,213.5 147.56,212.55 141.25,212.55 v1(140.75,213.05)
DDR0_DQ28: length 82.6
  TOP w0.173: U1.AM50 v1(138.75,217.05)
  ART05 w0.135: v1(138.75,217.05) 139.25,217.55 146.48,217.55 152.87,223.94 152.87,241.45 153.43,242.02 153.62,242.02 153.97,241.67 154.16,241.67 154.45,241.97 154.45,242.16 154.11,242.5 154.11,242.69 154.4,242.99 154.59,242.99 154.94,242.64 155.13,242.64 155.42,242.94 155.42,243.13 155.08,243.47 155.08,243.66 155.37,243.96 155.56,243.96 155.91,243.61 156.1,243.61 156.39,243.91 156.39,244.1 156.05,244.44 156.05,244.63 156.34,244.93 156.53,244.93 156.88,244.58 157.07,244.58 157.36,244.88 157.36,245.07 157.02,245.41 157.02,245.6 157.31,245.9 157.5,245.9 157.85,245.55 158.04,245.55 158.33,245.85 158.33,246.04 157.99,246.38 157.99,246.57 158.28,246.87 158.47,246.87 158.82,246.52 159.01,246.52 159.3,246.82 159.3,247.01 158.96,247.35 158.96,247.54 159.25,247.84 159.44,247.84 159.79,247.49 159.98,247.49 160.27,247.79 160.27,247.98 159.93,248.32 159.93,248.51 160.22,248.81 160.41,248.81 160.76,248.46 160.95,248.46 161.24,248.76 161.24,248.95 160.9,249.29 160.9,249.48 161.19,249.78 161.38,249.78 161.73,249.43 161.92,249.43 162.21,249.73 162.21,249.92 161.87,250.26 161.87,250.45 162.16,250.75 162.35,250.75 162.7,250.4 162.89,250.4 163.18,250.7 163.18,250.89 162.84,251.23 162.84,251.42 163.14,251.72 163.33,251.72 163.67,251.37 163.86,251.37 164.15,251.67 164.15,251.86 163.81,252.2 163.81,252.39 164.11,252.69 164.3,252.69 164.64,252.34 164.83,252.34 165.12,252.64 165.12,252.83 164.78,253.17 164.78,253.36 165.08,253.66 165.27,253.66 165.61,253.31 165.8,253.31 166.1,253.61 166.1,253.8 165.75,254.14 165.75,254.33 166.05,254.63 167.09,254.63 arc(167.63,254.52) 168.09,254.21 168.16,254.14 arc(168.56,253.87) 169.04,253.77 169.07,253.77 arc(169.55,253.87) 169.96,254.14 170.08,254.26 arc(170.48,254.53) 170.95,254.63 170.98,254.63 arc(171.45,254.53) 171.85,254.26 171.92,254.19 arc(172.38,253.88) 172.93,253.77 173.7,253.77 arc(174.24,253.88) 174.7,254.19 174.72,254.21 arc(175.18,254.52) 175.73,254.63 J1.36
DDR0_DQ29: length 83.3
  TOP w0.173: U1.AN49 v1(137.75,216.05)
  ART05 w0.135: v1(137.75,216.05) 138.25,216.55 146.37,216.55 153.5,223.68 153.5,240.01 154.02,240.53 154.21,240.53 154.74,240 154.93,240 155.23,240.29 155.23,240.48 154.69,241.02 154.69,241.21 154.99,241.5 155.18,241.5 155.71,240.97 155.9,240.97 156.2,241.26 156.2,241.45 155.66,241.99 155.66,242.18 155.96,242.47 156.15,242.47 156.68,241.94 156.87,241.94 157.17,242.23 157.17,242.42 156.63,242.96 156.63,243.15 156.93,243.44 157.12,243.44 157.65,242.91 157.84,242.91 158.14,243.2 158.14,243.39 157.6,243.93 157.6,244.12 157.9,244.41 158.09,244.41 158.62,243.88 158.81,243.88 159.11,244.17 159.11,244.36 158.57,244.9 158.57,245.09 158.87,245.38 159.06,245.38 159.59,244.85 159.78,244.85 160.08,245.14 160.08,245.33 159.54,245.87 159.54,246.06 159.84,246.35 160.03,246.35 160.56,245.82 160.75,245.82 161.05,246.11 161.05,246.3 160.52,246.84 160.52,247.03 160.81,247.32 161,247.32 161.53,246.79 161.72,246.79 162.02,247.08 162.02,247.27 161.49,247.81 161.49,248 166.41,252.93 167.1,252.93 arc(167.64,252.82) 168.1,252.51 168.18,252.44 arc(168.58,252.17) 169.05,252.07 169.08,252.07 arc(169.55,252.17) 169.95,252.44 170.08,252.56 arc(170.48,252.83) 170.95,252.93 170.98,252.93 arc(171.45,252.83) 171.85,252.56 171.92,252.49 arc(172.38,252.18) 172.93,252.07 173.7,252.07 arc(174.24,252.18) 174.7,252.49 174.72,252.51 arc(175.18,252.82) 175.73,252.93 176.5,252.93 arc(177.04,253.03) 177.5,253.34 177.52,253.36 arc(177.98,253.67) 178.52,253.77 180.51,253.77 J1.181
DDR0_DQ30: length 80.4
  TOP w0.173: U1.AM52 v1(140.75,217.05)
  ART07 w0.135: v1(140.75,217.05) 141.25,216.55 150.21,216.55 156.23,222.56 156.23,238.19 156.96,238.93 156.96,239.12 156.25,239.83 156.25,240.02 156.54,240.31 156.73,240.31 157.44,239.6 157.63,239.6 157.93,239.9 157.93,240.09 157.22,240.8 157.22,240.99 157.51,241.28 157.7,241.28 158.41,240.57 158.6,240.57 158.9,240.87 158.9,241.06 158.19,241.77 158.19,241.96 158.48,242.25 158.67,242.25 159.38,241.54 159.57,241.54 159.87,241.84 159.87,242.03 159.16,242.74 159.16,242.93 159.45,243.22 159.64,243.22 160.35,242.51 160.55,242.51 160.84,242.81 160.84,243 160.13,243.71 160.13,243.9 160.42,244.19 160.61,244.19 161.33,243.48 161.52,243.48 161.81,243.78 161.81,243.97 161.1,244.68 161.1,244.87 161.39,245.16 161.58,245.16 162.3,244.45 162.49,244.45 162.78,244.75 162.78,244.94 162.07,245.65 162.07,245.84 162.36,246.13 162.56,246.13 163.27,245.42 163.46,245.42 163.75,245.72 163.75,245.91 163.04,246.62 163.04,246.81 163.33,247.1 163.53,247.1 164.24,246.39 164.43,246.39 164.72,246.69 164.72,246.88 164.01,247.59 164.01,247.78 164.31,248.07 164.5,248.07 165.21,247.36 165.4,247.36 165.86,247.83 167.1,247.83 arc(167.64,247.72) 168.1,247.41 168.18,247.34 arc(168.58,247.07) 169.05,246.97 169.08,246.97 arc(169.55,247.07) 169.95,247.34 170.08,247.46 arc(170.48,247.73) 170.95,247.83 170.98,247.83 arc(171.45,247.73) 171.85,247.46 171.92,247.39 arc(172.38,247.08) 172.93,246.97 173.9,246.97 arc(174.93,247.18) 175.8,247.76 J1.43
DDR0_DQ31: length 81
  TOP w0.173: U1.AN51 v1(139.75,216.05)
  ART07 w0.135: v1(139.75,216.05) 140.25,215.55 150.1,215.55 156.86,222.3 156.86,237.93 157.17,238.25 157.36,238.25 157.92,237.69 158.11,237.69 158.41,237.99 158.41,238.18 157.85,238.74 157.85,238.93 158.14,239.22 158.33,239.22 158.89,238.66 159.08,238.66 159.38,238.96 159.38,239.15 158.82,239.71 158.82,239.9 159.11,240.19 159.3,240.19 159.86,239.63 160.05,239.63 160.35,239.93 160.35,240.12 159.79,240.68 159.79,240.87 160.08,241.16 160.27,241.16 160.83,240.6 161.02,240.6 161.32,240.9 161.32,241.09 160.76,241.65 160.76,241.84 161.06,242.13 161.25,242.13 161.8,241.57 161.99,241.57 162.29,241.87 162.29,242.06 161.73,242.62 161.73,242.81 162.03,243.1 162.22,243.1 162.77,242.54 162.96,242.54 163.26,242.84 163.26,243.03 162.7,243.59 162.7,243.78 163,244.07 163.19,244.07 163.74,243.51 163.93,243.51 164.23,243.81 164.23,244 163.67,244.56 163.67,244.75 163.97,245.04 164.16,245.04 164.71,244.48 164.9,244.48 165.2,244.78 165.2,244.97 164.64,245.53 164.64,245.72 165.05,246.12 167.1,246.12 arc(167.64,246.02) 168.1,245.71 168.18,245.64 arc(168.58,245.37) 169.05,245.28 169.08,245.28 arc(169.55,245.37) 169.95,245.64 170.08,245.76 arc(170.48,246.03) 170.95,246.12 170.98,246.12 arc(171.45,246.03) 171.85,245.76 171.92,245.69 arc(172.38,245.38) 172.93,245.28 173.7,245.28 arc(174.24,245.38) 174.7,245.69 174.72,245.71 arc(175.18,246.02) 175.73,246.12 176.5,246.12 arc(177.04,246.23) 177.5,246.54 177.57,246.61 arc(177.98,246.88) 178.45,246.97 178.48,246.97 arc(178.95,247.07) 179.35,247.34 179.42,247.41 arc(179.88,247.72) 180.42,247.83 J1.188
DDR0_DQ32: length 47.6
  TOP w0.173: U1.BJ56 v1(144.75,200.05)
  ART14 w0.15: v1(144.75,200.05) 144.93,200.23 145.95,200.23 146.09,200.08 156.85,200.08 157,199.93 157,198.11 157.15,197.96 157.58,197.96 157.73,198.11 157.73,199.93 157.88,200.08 158.31,200.08 158.46,199.93 158.46,198.11 158.61,197.96 159.04,197.96 159.19,198.11 159.19,199.93 159.34,200.08 159.76,200.08 159.91,199.93 159.91,198.11 160.06,197.96 160.49,197.96 160.64,198.11 160.64,199.93 160.79,200.08 161.22,200.08 161.37,199.93 161.37,198.11 161.52,197.96 163.16,197.96 163.29,198.09 163.42,198.22 164.15,198.22 164.28,198.09 164.41,197.96 165.86,197.96 166.42,198.52 167.1,198.52 arc(167.64,198.42) 168.1,198.11 168.18,198.04 arc(168.58,197.77) 169.05,197.67 169.08,197.67 arc(169.55,197.77) 169.95,198.04 170.08,198.16 arc(170.48,198.43) 170.95,198.52 170.98,198.52 arc(171.45,198.43) 171.85,198.16 171.92,198.09 arc(172.38,197.78) 172.92,197.67 J1.97
DDR0_DQ33: length 48.3
  TOP w0.173: U1.BH56 v1(144.75,201.05)
  ART14 w0.15: J1.242 180.42,196.83 arc(179.88,196.93) 179.42,197.24 179.35,197.31 arc(178.95,197.58) 178.48,197.67 178.45,197.67 arc(177.98,197.77) 177.58,198.04 177.5,198.11 arc(177.04,198.42) 176.5,198.52 175.72,198.52 arc(175.18,198.63) 174.72,198.94 174.7,198.96 arc(174.24,199.27) 173.7,199.38 172.92,199.38 arc(172.38,199.48) 171.92,199.79 171.85,199.86 arc(171.45,200.13) 170.98,200.22 170.95,200.22 arc(170.48,200.13) 170.08,199.86 169.95,199.74 arc(169.55,199.47) 169.08,199.38 169.05,199.38 arc(168.58,199.47) 168.18,199.74 168.1,199.81 arc(167.64,200.12) 167.1,200.22 165.97,200.22 165.82,200.07 165.82,199.18 165.67,199.03 165.24,199.03 165.09,199.18 165.09,200.59 164.94,200.74 164.51,200.74 164.36,200.59 164.36,199.18 164.21,199.03 163.78,199.03 163.63,199.18 163.63,200.59 163.48,200.74 163.06,200.74 162.91,200.59 162.91,199.18 162.76,199.03 162.33,199.03 162.18,199.18 162.18,200.59 162.03,200.74 145.06,200.74 v1(144.75,201.05)
DDR0_DQ34: length 52.8
  TOP w0.173: U1.BH55 v1(143.75,201.05)
  BOTTOM w0.173: v1(143.75,201.05) 143.25,200.55 142.53,200.55 142.25,200.27 142.25,199.83 141.97,199.55 141.53,199.55 141.25,199.27 141.25,197.84 141.54,197.55 147.84,197.55 150.76,194.63 160.88,194.63 161.05,194.46 161.05,193.6 161.22,193.43 161.66,193.43 161.83,193.6 161.83,194.46 162,194.63 162.43,194.63 162.61,194.46 162.61,193.6 162.78,193.43 163.21,193.43 163.38,193.6 163.38,194.46 163.56,194.63 163.99,194.63 164.16,194.46 164.16,193.6 164.33,193.43 164.77,193.43 164.94,193.6 164.94,194.46 165.11,194.63 165.54,194.63 165.72,194.46 165.72,193.6 165.89,193.43 167.1,193.43 arc(167.64,193.32) 168.1,193.01 168.18,192.93 arc(168.58,192.67) 169.05,192.57 169.08,192.57 arc(169.55,192.67) 169.95,192.93 170.08,193.07 arc(170.48,193.33) 170.95,193.43 170.98,193.43 arc(171.45,193.33) 171.85,193.07 171.93,192.99 arc(172.38,192.68) 172.92,192.57 173.7,192.57 arc(174.24,192.68) 174.7,192.99 174.73,193.01 arc(175.18,193.32) 175.72,193.43 176.24,193.43 arc(177.02,193.27) 177.69,192.82 177.98,192.54 arc(178.22,192.16) J1.104
DDR0_DQ35: length 54.7
  TOP w0.173: U1.BH53 v1(141.75,201.05)
  BOTTOM w0.173: v1(141.75,201.05) 141.25,200.55 140.53,200.55 140.25,200.27 140.25,196.84 140.54,196.55 144.99,196.55 145.21,196.77 147.52,196.77 150.44,193.85 156.76,193.85 156.94,193.68 156.94,192.73 157.13,192.53 157.54,192.53 157.71,192.7 157.71,193.68 157.89,193.85 158.32,193.85 158.49,193.68 158.49,192.73 158.69,192.53 159.1,192.53 159.27,192.7 159.27,193.68 159.44,193.85 159.87,193.85 160.05,193.68 160.05,192.73 160.24,192.53 165.58,192.53 166.39,191.73 167.1,191.73 arc(167.64,191.62) 168.1,191.31 168.18,191.23 arc(168.58,190.97) 169.05,190.87 169.08,190.87 arc(169.55,190.97) 169.95,191.23 170.08,191.37 arc(170.48,191.63) 170.95,191.73 170.98,191.73 arc(171.45,191.63) 171.85,191.37 171.93,191.29 arc(172.38,190.98) 172.92,190.87 173.7,190.87 arc(174.24,190.98) 174.7,191.29 174.72,191.31 arc(175.18,191.62) 175.72,191.73 176.5,191.73 arc(177.04,191.62) 177.5,191.31 177.52,191.29 arc(177.98,190.98) 178.52,190.88 J1.249
DDR0_DQ36: length 58.5
  TOP w0.173: U1.BL53 v1(141.75,198.05)
  BOTTOM w0.173: v1(141.75,198.05) 142.25,198.55 142.97,198.55 143.25,198.83 143.25,199.26 143.54,199.55 145.6,199.55 146.25,200.2 156.48,200.2 156.65,200.03 156.65,198.45 156.82,198.27 157.26,198.27 157.43,198.45 157.43,200.03 157.6,200.2 158.03,200.2 158.21,200.03 158.21,198.45 158.38,198.27 158.81,198.27 158.98,198.45 158.98,200.03 159.16,200.2 159.59,200.2 159.76,200.03 159.76,198.45 159.93,198.27 160.36,198.27 160.54,198.45 160.54,200.03 160.71,200.2 161.14,200.2 161.31,200.03 161.31,198.47 161.49,198.3 161.92,198.3 162.09,198.47 162.09,200.03 162.26,200.2 162.7,200.2 162.87,200.03 162.87,198.45 163.04,198.27 163.47,198.27 163.65,198.45 163.65,200.03 163.82,200.2 164.25,200.2 164.42,200.03 164.42,198.45 164.6,198.27 165.03,198.27 165.2,198.45 165.2,200.05 165.37,200.22 167.11,200.22 arc(167.64,200.12) 168.1,199.81 168.18,199.73 arc(168.58,199.47) 169.05,199.38 169.08,199.38 arc(169.55,199.47) 169.95,199.73 170.08,199.87 arc(170.48,200.13) 170.95,200.22 170.98,200.22 arc(171.45,200.13) 171.85,199.87 171.93,199.79 arc(172.38,199.48) 172.92,199.38 173.34,199.38 arc(173.72,199.45) 174.04,199.66 174.06,199.69 arc(174.38,199.9) 174.76,199.97 175.27,199.97 arc(176.05,199.82) J1.95
DDR0_DQ37: length 57
  TOP w0.173: U1.BL55 v1(143.75,198.05)
  BOTTOM w0.173: J1.240 180.42,198.53 arc(179.88,198.42) 179.42,198.11 179.35,198.03 arc(178.95,197.77) 178.48,197.67 178.44,197.67 arc(177.98,197.77) 177.58,198.03 177.5,198.11 arc(177.04,198.42) 176.5,198.52 175.72,198.52 arc(175.18,198.42) 174.72,198.11 174.7,198.09 arc(174.24,197.78) 173.7,197.67 172.92,197.67 arc(172.38,197.78) 171.93,198.09 171.85,198.17 arc(171.45,198.43) 170.98,198.52 170.95,198.52 arc(170.48,198.43) 170.08,198.17 169.95,198.03 arc(169.55,197.77) 169.08,197.67 169.05,197.67 arc(168.58,197.77) 168.18,198.03 168.1,198.11 arc(167.64,198.42) 167.11,198.52 166.39,198.52 165.36,197.5 155.63,197.5 155.46,197.67 155.46,199.25 155.28,199.42 154.85,199.42 154.68,199.25 154.68,197.67 154.51,197.5 154.07,197.5 153.9,197.67 153.9,199.25 153.73,199.42 153.3,199.42 153.12,199.25 153.12,197.67 152.95,197.5 152.52,197.5 152.35,197.67 152.35,199.25 152.17,199.42 151.74,199.42 151.57,199.25 151.57,197.67 151.4,197.5 150.97,197.5 150.79,197.67 150.79,199.25 150.62,199.42 150.19,199.42 150.02,199.25 150.02,197.67 149.84,197.5 149.41,197.5 149.24,197.67 149.24,199.25 149.07,199.42 146.59,199.42 145.72,198.55 144.25,198.55 v1(143.75,198.05)
DDR0_DQ38: length 52.6
  TOP w0.173: U1.BM55 v1(143.75,197.05)
  ART14 w0.15: J1.102 175.72,193.43 arc(175.18,193.32) 174.72,193.01 174.7,192.99 arc(174.24,192.68) 173.7,192.57 172.93,192.57 arc(172.38,192.68) 171.92,192.99 171.85,193.06 arc(171.45,193.33) 170.98,193.43 170.95,193.43 arc(170.48,193.33) 170.08,193.06 169.95,192.94 arc(169.55,192.67) 169.08,192.57 169.05,192.57 arc(168.58,192.67) 168.18,192.94 168.1,193.01 arc(167.64,193.32) 167.1,193.43 166.25,193.43 166.1,193.28 166.1,192.71 165.95,192.56 165.52,192.56 165.37,192.71 165.37,193.86 165.22,194.01 164.79,194.01 164.64,193.86 164.64,192.71 164.49,192.56 164.07,192.56 163.92,192.71 163.92,193.86 163.77,194.01 163.34,194.01 163.19,193.86 163.19,192.71 163.04,192.56 162.61,192.56 162.46,192.71 162.46,193.86 162.31,194.01 161.88,194.01 161.73,193.86 161.73,192.71 161.58,192.56 161.16,192.56 161.01,192.71 161.01,193.86 160.86,194.01 160.43,194.01 160.28,193.86 160.28,192.71 160.13,192.56 159.7,192.56 159.55,192.71 159.55,193.86 159.4,194.01 158.97,194.01 158.82,193.86 158.82,192.71 158.67,192.56 158.24,192.56 158.09,192.71 158.09,193.86 157.95,194.01 150.93,194.01 148.35,196.59 145.93,196.59 144.97,197.55 144.25,197.55 v1(143.75,197.05)
DDR0_DQ39: length 52.7
  TOP w0.173: U1.BM54 v1(142.75,197.05)
  ART14 w0.15: v1(142.75,197.05) 143.25,196.55 145.13,196.55 145.78,195.9 148.1,195.9 150.65,193.35 151.24,193.35 151.39,193.2 151.39,192.63 151.54,192.48 151.96,192.48 152.11,192.63 152.11,193.2 152.26,193.35 152.69,193.35 152.84,193.2 152.84,191.87 152.99,191.73 153.42,191.73 153.57,191.87 153.57,193.2 153.72,193.35 154.15,193.35 154.3,193.2 154.3,191.87 154.45,191.73 154.88,191.73 155.03,191.87 155.03,193.2 155.18,193.35 155.6,193.35 155.75,193.2 155.75,191.87 155.9,191.73 156.33,191.73 156.48,191.87 156.48,193.2 156.63,193.35 157.06,193.35 157.21,193.2 157.21,191.87 157.36,191.73 167.1,191.73 arc(167.64,191.62) 168.1,191.31 168.17,191.24 arc(168.58,190.97) 169.06,190.87 169.09,190.87 arc(169.58,190.97) 169.99,191.24 170.11,191.37 arc(170.5,191.63) 170.96,191.73 170.99,191.73 arc(171.45,191.63) 171.84,191.37 171.92,191.29 arc(172.38,190.98) 172.93,190.87 173.7,190.87 arc(174.24,190.98) 174.7,191.29 174.72,191.31 arc(175.18,191.62) 175.72,191.73 176.5,191.73 arc(177.04,191.83) 177.5,192.14 177.52,192.16 arc(177.98,192.47) 178.52,192.58 J1.247
DDR0_DQ40: length 54.8
  TOP w0.173: U1.BN55 v1(143.75,196.05)
  ART14 w0.15: J1.108 178.31,188.33 arc(178.22,188.76) 177.98,189.14 177.69,189.42 arc(177.02,189.87) 176.24,190.03 175.72,190.03 arc(175.18,189.92) 174.72,189.61 174.7,189.59 arc(174.24,189.28) 173.7,189.17 172.93,189.17 arc(172.38,189.28) 171.92,189.59 171.85,189.66 arc(171.45,189.93) 170.98,190.03 170.95,190.03 arc(170.48,189.93) 170.08,189.66 169.95,189.54 arc(169.55,189.27) 169.08,189.17 169.05,189.17 arc(168.58,189.27) 168.18,189.54 168.1,189.61 arc(167.64,189.92) 167.1,190.03 166.24,190.03 166.09,189.88 166.09,188.95 165.94,188.8 165.51,188.8 165.36,188.95 165.36,190.58 165.21,190.73 164.78,190.73 164.63,190.58 164.63,188.59 164.48,188.44 164.05,188.44 163.9,188.59 163.9,190.09 163.75,190.24 152.35,190.24 151.62,190.98 151.4,190.98 150.7,190.27 150.49,190.27 150.18,190.58 150.18,190.79 150.89,191.49 150.89,191.7 150.59,192.01 150.38,192.01 149.67,191.3 149.46,191.3 149.15,191.6 149.15,191.82 149.86,192.52 149.86,192.73 149.56,193.04 149.35,193.04 148.64,192.33 148.43,192.33 148.13,192.63 148.13,192.85 148.83,193.55 148.83,193.76 148.53,194.07 148.32,194.07 147.61,193.36 147.4,193.36 147.1,193.66 147.1,193.87 147.54,194.31 147.54,194.53 147.23,194.83 147.02,194.83 146.58,194.39 146.37,194.39 145.21,195.55 144.25,195.55 v1(143.75,196.05)
DDR0_DQ41: length 53.8
  TOP w0.173: U1.BP56 v1(144.75,195.05)
  ART14 w0.15: v1(144.75,195.05) 145.77,194.03 145.77,193.82 145.34,193.38 145.34,193.17 145.64,192.87 145.85,192.87 146.29,193.3 146.5,193.3 146.8,193 146.8,192.79 145.91,191.89 145.91,191.68 146.21,191.38 146.42,191.38 147.32,192.27 147.53,192.27 147.83,191.97 147.83,191.76 146.94,190.87 146.94,190.65 147.24,190.35 147.45,190.35 148.34,191.24 148.56,191.24 148.86,190.94 148.86,190.73 148.26,190.13 148.26,189.92 148.56,189.61 148.77,189.61 149.37,190.21 149.59,190.21 150.22,189.58 161.56,189.58 161.71,189.43 161.71,187.91 161.86,187.76 162.29,187.76 162.44,187.91 162.44,189.28 162.59,189.43 163.01,189.43 163.16,189.28 163.16,187.91 163.31,187.76 165.84,187.76 166.4,188.32 167.1,188.32 arc(167.64,188.22) 168.1,187.91 168.18,187.84 arc(168.58,187.57) 169.05,187.48 169.08,187.48 arc(169.55,187.57) 169.95,187.84 170.08,187.96 arc(170.48,188.23) 170.95,188.32 170.98,188.32 arc(171.45,188.23) 171.85,187.96 171.92,187.89 arc(172.38,187.58) 172.92,187.48 173.7,187.48 arc(174.24,187.58) 174.7,187.89 174.72,187.91 arc(175.18,188.22) 175.72,188.32 176.5,188.32 arc(177.04,188.22) 177.5,187.91 177.52,187.89 arc(177.98,187.58) 178.52,187.48 J1.253
DDR0_DQ42: length 57.4
  TOP w0.173: U1.BR56 v1(144.75,194.05)
  BOTTOM w0.173: J1.115 172.92,182.38 arc(172.38,182.48) 171.93,182.79 171.85,182.87 arc(171.45,183.13) 170.98,183.22 170.95,183.22 arc(170.48,183.13) 170.08,182.87 169.95,182.73 arc(169.55,182.47) 169.08,182.38 169.05,182.38 arc(168.58,182.47) 168.18,182.73 168.1,182.81 arc(167.64,183.12) 167.11,183.22 166.38,183.22 163.08,186.53 152.27,186.53 151.24,187.56 150.99,187.56 149.97,186.54 149.73,186.54 149.42,186.85 149.42,187.09 150.44,188.11 150.44,188.36 150.14,188.66 149.9,188.66 148.44,187.21 148.2,187.21 147.89,187.51 147.89,187.76 149.35,189.21 149.35,189.46 149.04,189.76 148.8,189.76 147.34,188.31 147.1,188.31 146.79,188.61 146.79,188.86 148.25,190.31 148.25,190.55 147.94,190.86 147.7,190.86 146.24,189.41 146,189.41 145.69,189.71 145.69,189.96 147.15,191.41 147.15,191.65 146.84,191.96 146.6,191.96 145.58,190.94 145.33,190.94 145.03,191.24 145.03,191.49 146.05,192.51 146.05,192.75 v1(144.75,194.05)
